# KiCad board Beacon_Multiboard.kicad_pcb (continued)
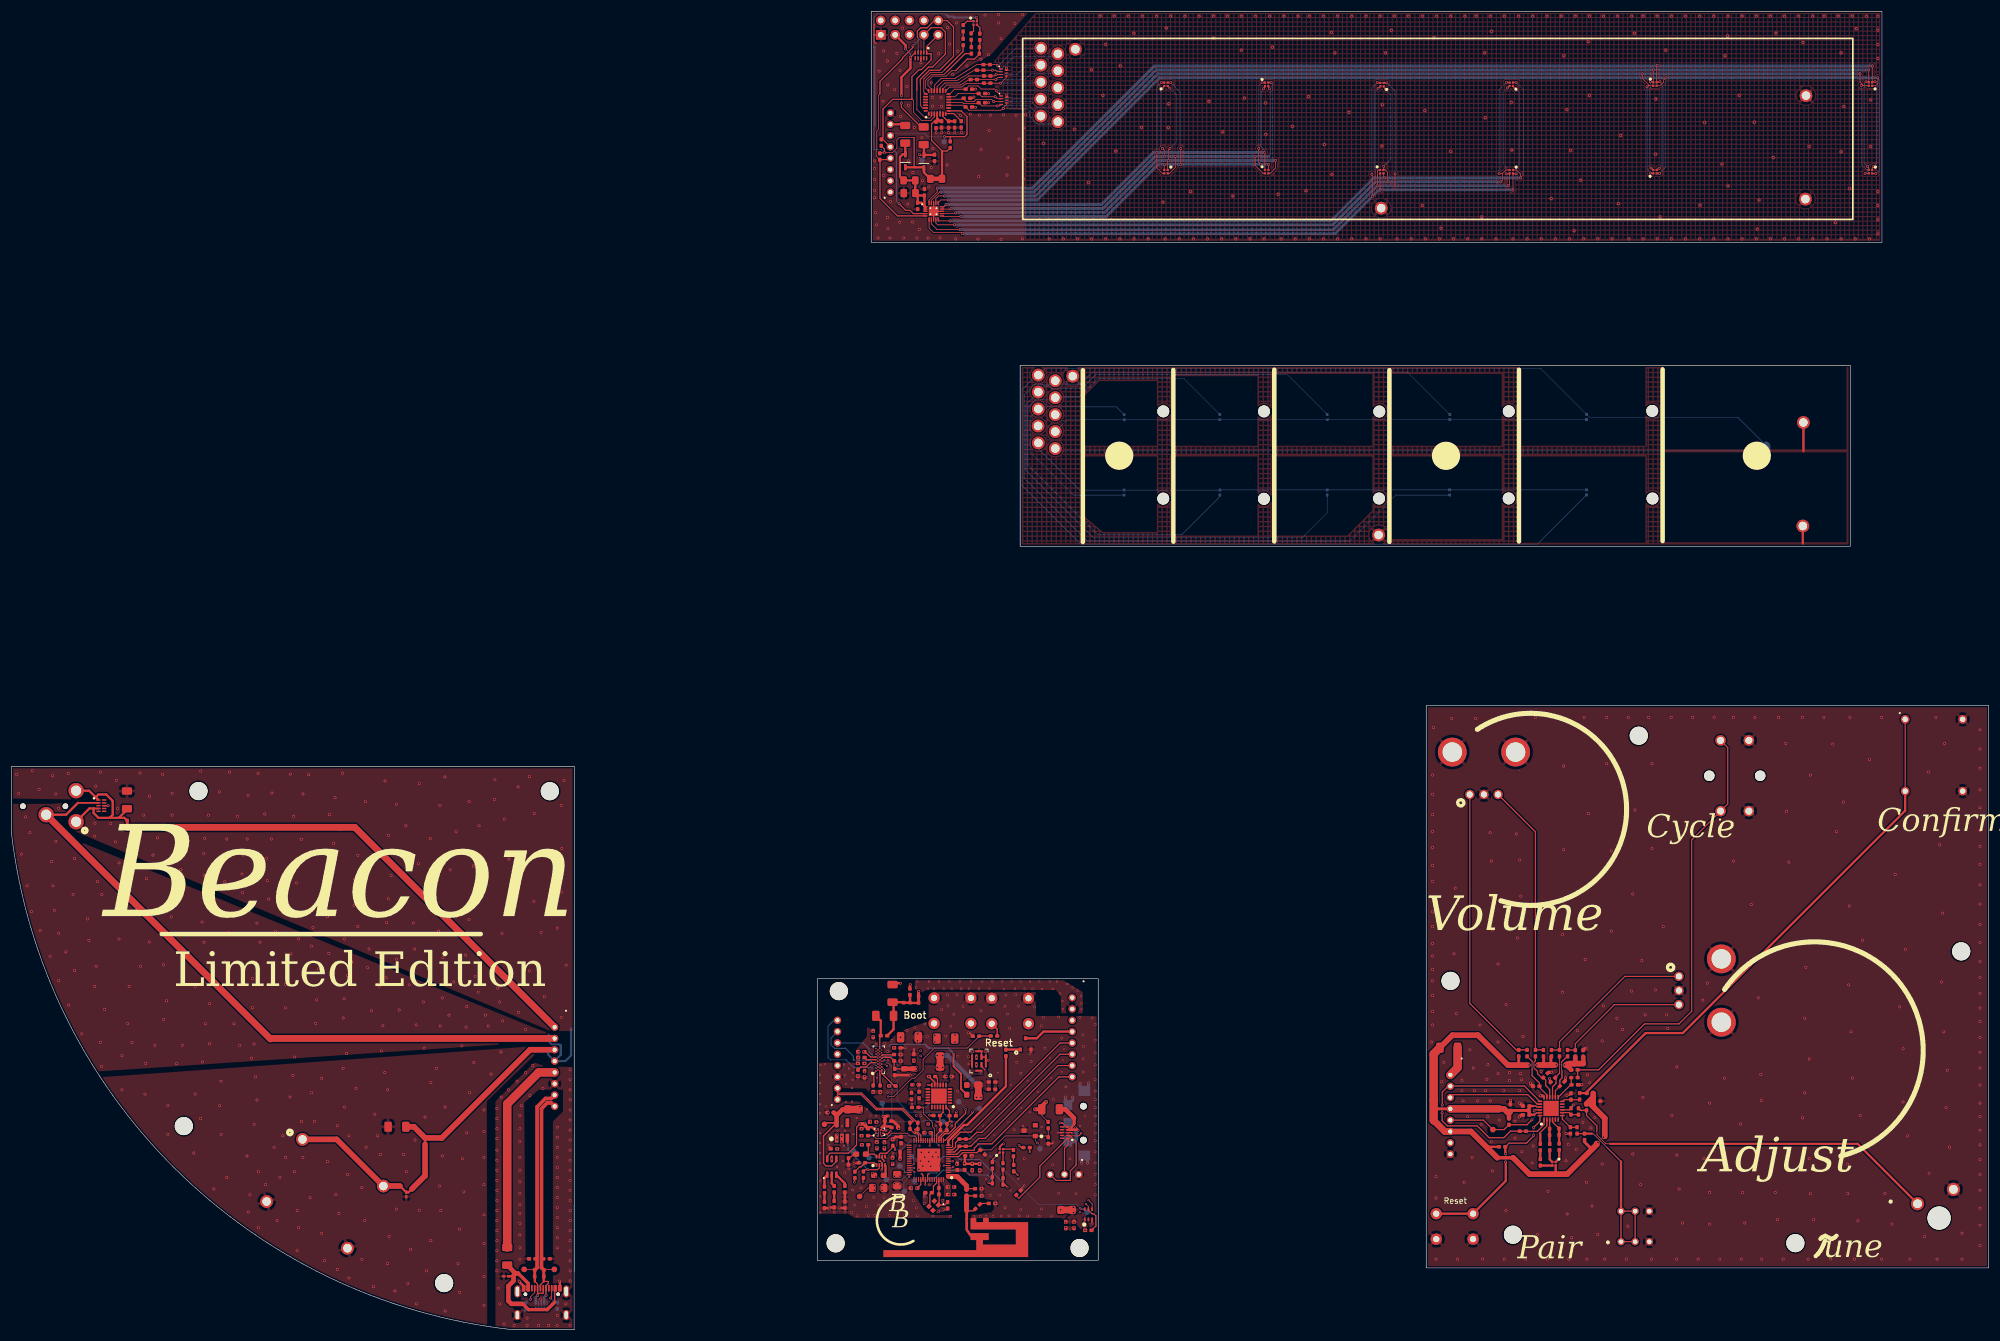
[diagram p0: board, top side]
## Routing (per net, layer and track width the routed paths; a pad name or vN(x,y) marks a point on that pad's centre or on a via; arc(x,y) is an arc through that point) (continued)
/Main_Board/Regulators/MODE: length 3.9
  Top w0.2: R502.1 151.51,31.46 R504.2 152.55,31.03 PS501.8
/Main_Board/Regulators/SYS_PWR: length 37.3
  Top w0.2: R506.2 178.54,32.2 v2(178.16,32.58) ; v3(154.34,29.85) 153.97,30.22 PS501.6 ; PS502.B2 153.29,35.47 v3(153.25,35.52)
  In2.Cu w0.13: v3(160.56,32.53) 160.56,35.02 161.22,35.68 161.22,36.39 161.78,36.95 163.08,36.95 163.36,37.23 173.52,37.23 v2(178.16,32.58)
  In3.Cu w0.13: v3(154.34,29.85) 154.34,29.51 155.3,28.55 157.03,28.55 160.56,32.08 v3(160.56,32.53)
  Bottom w0.13: v3(154.34,29.85) 153.77,30.42 TP502.1
  vias: v2(150.38,32.69) v2(152.99,36.71) v2(153.03,32.21) v2(154.35,32.16)
/Main_Board/Regulators/VSET: length 4.6
  Top w0.2: PS501.1 152.6,29.5 R503.2 150.22,28.79 149.98,28.79 R501.1
/Main_Board/STAT_B: length 18.9
  Top w0.2: U701.48 161.6,26.56 v3(161.6,25.65) ; v3(172.75,26) 172.88,25.86 J802.2 ; 173.45,27.02 173.45,27.02 R805.1
  Top w0.25: J802.1 J802.2
  Bottom w0.2: v3(172.75,26) 172.75,26.12 173.3,26.67 172.6,27.37 169.35,27.37 168.52,28.2 164.7,28.2 163.32,26.82 162.27,26.82 161.6,26.15 v3(161.6,25.65)
/Main_Board/STAT_G: length 23.3
  Top w0.2: 175.33,26.82 175.32,26.82 R803.1 ; U701.49 161.99,27.37 v3(162.15,27.52) ; v3(176.15,25.15) 175.63,25.66 J801.2
  Top w0.25: J801.1 J801.2
  Bottom w0.2: v3(162.15,27.52) 162.35,27.72 163.65,27.72 163.65,29.5 164.75,30.6 167.17,30.6 167.67,30.1 171.2,30.1 v3(176.15,25.15)
/Main_Board/STAT_R: length 19.7
  Top w0.2: v3(160.95,27.55) 161.19,27.3 U701.47 ; R802.1 177.31,27.99 v3(177.92,27.37)
  In3.Cu w0.2: v3(160.95,27.55) 161.6,28.2 168.6,28.2 169.47,27.32 171.57,27.32 171.62,27.37 v3(177.92,27.37)
/Main_Board/TACT_NINT: length 27.8
  Top w0.2: J101.8 185.2,44.7 173.36,32.86 171.03,32.86 170.26,32.1 170.26,31.72 167.88,31.72 167.17,31.01 U701.10
/Main_Board/TACT_VIBRT: length 20.3
  Top w0.09: U701.14 165.64,32.69
  Top w0.4: 165.64,33.22 165.64,33.42 168.41,36.19 168.99,36.19 175.84,43.04 175.84,47.53 ; 165.64,33.17 165.64,32.69 ; R1301.1 175.84,47.56
/Main_Board/TACT_VIBRT_EXT: length 8.7
  Top w0.4: Q1301.D 181.3,51.53 182.47,52.7 J101.4
/Main_Board/TOUCH_INT: length 30.3
  Top w0.2: U701.13 166.27,32.21 166.4,32.35 166.4,33.57 167.75,34.92 169.63,34.92 185.41,50.7 J101.5
/Main_Board/uC_BOOT: length 35.4
  Top w0.13: v3(164.85,29.01) U701.5
  In3.Cu w0.13: 163.16,55.08 169.66,55.08 168.16,53.58 168.16,44.7 164.85,41.4 164.85,29.02 v3(164.85,29.01)
/Main_Board/uC_EN: length 39.5
  Top w0.13: U701.4 166.34,28.61 v3(166.53,28.8)
  Top w0.25: R804.1 174.3,53.13 SW802.1
  In3.Cu w0.13: 179.78,55.02 173.28,55.02 173.28,38.9 166.02,31.64 166.02,29.31 v3(166.53,28.8)
/Main_Board/uC_LNA: length 6.3
  Top w0.2: L801.2 169.01,24.93 C803.2
  Top w0.25: 167.22,27.1 166.9,27.1
  Top w0.84: 167.22,27.1 J804.2 J804.1 168.88,25.43 L801.2 ; 166.9,27.1 165.64,27.1 ; 167.29,27.02 167.39,26.93
/Main_Board/USB_DN: length 21.5
  Top w0.09: 160.14,36.6 J1609.1
  Top w0.178: U701.25 160.79,34.41 160.28,34.93 159.81,34.93 159.77,34.96 159.77,35.45 159.79,35.47 J1609.2 J1609.1 ; 160.14,36.6 157.6,39.15 153.02,39.15 150.33,41.84 146.11,41.84
  Top w0.2: J106.2 146.06,41.89 146.1,41.85 146.11,41.85
/Main_Board/USB_DP: length 21
  Top w0.178: 159.21,36.62 159.47,36.88 157.48,38.87 152.91,38.87 150.22,41.56 146.11,41.56 ; J1610.1 J1610.2 158.88,35.47 159.7,34.66 160.16,34.66 160.39,34.43 160.39,33.44
  Top w0.2: J106.1 146.06,41.51 146.11,41.56 146.11,41.56 ; 159.21,36.62 J1610.1
/Tactile_Board/I2C1_SCLK: length 45.1
  Top w0.2: U1501.1 270.98,36.25 269.8,35.07 267.83,35.07 J1501.2 J1501.1 265.03,35.1 263.86,33.93 261.27,33.93 259.16,36.04 253.88,36.04 252.96,36.95 v1(252.96,38.34) ; v1(252.99,39.74) 252.99,42.03 254,43.04 J104.2 254.44,43.08 267.52,43.08 270.22,40.37 U1501.19
  Bottom w0.2: v1(252.99,39.74) 252.96,39.72 v1(252.96,38.34)
/Tactile_Board/I2C1_SDA: length 16.8
  Top w0.2: J104.3 254.92,41.55 268.1,41.55 269.78,39.87 U1501.20
/Tactile_Board/IO_Expander/TACT_B: length 4.7
  Top w0.2: J1503.2 273.64,35.57 272.48,36.73 U1501.4 ; 273.64,32.92 R1506.1
  Top w0.4: 273.64,32.92 J1503.1 J1503.2
/Tactile_Board/IO_Expander/TACT_CONFIRM: length 3.2
  Top w0.2: U1501.12 274.49,40.66 C1402.2 277.23,40.66 R1406.2
/Tactile_Board/IO_Expander/TACT_CYCLE: length 4.6
  Top w0.2: R1405.2 275.79,43.36 C1401.2 275.69,43.3 U1501.13
/Tactile_Board/IO_Expander/TACT_EQZR_A: length 7.9
  Top w0.13: 273.71,47.67 273.71,45.57
  Top w0.2: 273.71,45.57 273.71,45.34 C1407.2 273.1,44.41 273.1,43.56 272.48,42.93 U1501.15 ; 273.71,47.67 R1415.1
/Tactile_Board/IO_Expander/TACT_EQZR_B: length 8.2
  Top w0.13: 274.11,47.37 274.04,47.3 274.04,45.97 274.15,45.87 274.15,45.62
  Top w0.2: U1501.14 272.98,42.27 C1408.2 273.77,44.12 274.15,44.5 274.15,45.62 ; 274.11,47.37 275.07,48.33 R1416.1
/Tactile_Board/IO_Expander/TACT_G: length 4.3
  Top w0.2: 271.96,32.87 R1505.1 ; U1501.3 271.98,35.53 J1502.2
  Top w0.4: J1502.2 J1502.1 271.96,32.87
/Tactile_Board/IO_Expander/TACT_PAIR: length 3.9
  Top w0.2: U1501.7 274.2,37.23 C1403.2 276.89,35.79
/Tactile_Board/IO_Expander/TACT_R: length 4.8
  Top w0.2: 270.31,34.69 270.31,34.88 271.48,36.05 U1501.2
  Top w0.4: 270.31,34.69 R1504.1
/Tactile_Board/IO_Expander/TACT_TUNE: length 3
  Top w0.2: R1408.2 277.06,38.02 C1404.2 275.39,38.37 U1501.8
/Tactile_Board/IO_Expander/TACT_VOLUME_A: length 8.7
  Top w0.13: 268.86,47.47 268.86,46.05
  Top w0.2: 268.86,47.47 268,48.33 R1413.1 ; U1501.17 271.48,41.52 270.17,42.83 C1405.2 270.17,43.6 268.86,44.9 268.86,46.05
/Tactile_Board/IO_Expander/TACT_VOLUME_B: length 8.7
  Top w0.13: 269.45,46.05 269.4,46.05 269.19,46.25 269.19,47.27 269.34,47.42
  Top w0.2: R1414.1 269.45,47.52 269.34,47.42 ; U1501.16 271.98,42.45 271.28,43.15 271.28,44.13 C1406.2 270.51,44.58 269.83,45.26 269.83,45.67 269.45,46.05
/Tactile_Board/TACT_NINT: length 18.7
  Top w0.2: v1(269.24,38.76) 269.36,38.87 U1501.22 ; v1(268.84,37.11) 267.97,36.23 R1501.1 263.92,35.38 TP1501.1 260.26,37.04 J104.5
  Bottom w0.13: v1(269.24,38.76) 269.24,37.51 v1(268.84,37.11)
Net-(AE801-Pad1): length 7.4
  Top w0.2: C802.2 168.88,23.66 L801.1 ; L802.2 170.08,21.01 168.91,21.01
  Top w0.25: 168.88,21.06 J803.1
  Top w0.381: 168.88,22.26 168.91,22.26
  Top w0.46: J803.1 AE801.1
  Top w0.84: 168.88,21.06 L801.1
Net-(C804-Pad2): length 1.6
  Top w0.2: L802.1 171.39,22.32 C804.2
Net-(D414-A): length 6.1
  Top w0.13: D414.2 160.68,207.66 v1(160.56,207.78)
  Top w0.4: 161.35,209.77 161.35,207.71 163.07,207.71 163.23,207.87
  Bottom w0.13: TP403.1 160.56,207.22 v1(160.56,207.78)
Net-(D417-Pad1): length 2.1
  Top w0.2: R407.2 168.95,231.35 D417.1
Net-(D417-Pad2): length 1.7
  Top w0.2: D417.2 170.12,229.62 R405.2
Net-(D417-Pad3): length 1.8
  Top w0.2: D417.3 171.23,230.24 R403.2
Net-(D501-Pad1): length 2.3
  Top w0.4: R513.2 143.76,26.9 D501.1
Net-(D501-Pad2): length 2.2
  Top w0.4: D501.2 145.05,25.84 R512.2
Net-(D501-Pad3): length 2.6
  Top w0.4: R511.2 147.37,25.87 D501.3
Net-(D502-Pad1): length 24.2
  Top w0.25: J510.A9 96.06,7.21 96.06,4.87 ; 88.64,9.44 88.79,9.6
  Top w0.4: 87.83,9.44 88.64,9.44 ; 88.79,9.6 89.15,9.95
  Top w0.6: 89.61,9.95 91.39,8.17 J510.A4 ; 90.42,4.57 91.44,3.55 94.74,3.55 96.06,4.87
  Top w0.8: 89.61,9.95 89.15,9.95 F502.1 ; 90.42,4.57 88.39,4.57 87.88,5.08 87.88,7.72 88.79,8.63 88.79,9.6
Net-(D801-Pad1): length 2.2
  Top w0.2: R805.2 173.45,30.03 D801.1
Net-(D801-Pad2): length 1.9
  Top w0.2: R803.2 175.32,31.3 D801.2
Net-(D801-Pad3): length 1.9
  Top w0.2: D801.3 177.03,31.93 R801.2
Net-(D1501-Pad1): length 2.4
  Top w0.4: D1501.1 273.66,30.26 R1506.2
Net-(D1501-Pad2): length 2.3
  Top w0.4: R1505.2 271.99,30.1 D1501.2
Net-(D1501-Pad3): length 2.1
  Top w0.2: R1503.2 270.33,29.04
  Top w0.4: D1501.3 272.43,29.03 270.34,29.03 270.33,29.04
Net-(J501-Pin_1): length 11.9
  Top w0.25: v2(188.63,35.25) v2(188.17,35.71) ; 187.07,35.35 187.5,35.78 187.5,35.85
  Top w0.4: D507.4 187.07,35.35 ; 187.89,36.29 187.5,35.9 187.5,35.85
  Top w0.5: 187.07,35.35 188.28,35.35 188.4,35.48
  Top w0.6: 187.89,36.47 187.89,37.41
  Top w0.8: F501.1 186.33,38.97 187.89,37.41
  Bottom w0.2: 188.32,35.45 188.53,35.25 v2(188.63,35.25) ; 188.32,35.45 188.27,35.4 ; 188.32,35.45 188.32,35.56 v2(188.17,35.71)
  Bottom w0.7: 188.27,35.4 188.27,33.68 187.91,33.31 J501.1
Net-(J510-CC1): length 3.4
  Top w0.13: v1(91.82,5.35) 91.82,5.84 92.54,6.56 J510.A5
  Bottom w0.13: R517.2 91.56,5.35 v1(91.82,5.35)
Net-(J510-CC2): length 3.3
  Top w0.13: v1(95.35,5.58) 95.54,5.77 J510.B5
  Bottom w0.13: R518.2 96.11,4.82 v1(95.35,5.58)
Net-(PS501-SW): length 2.2
  Top w0.2: 154.62,28.98 PS501.4
  Top w0.4: 154.57,28.93 154.57,27.6 L501.1 154.39,27.43
Net-(Q1301-PadG): length 2.5
  Top w0.2: 175.86,49.53 R1301.2
  Top w0.4: Q1301.G 175.86,49.53
Net-(R405-Pad1): length 1.3
  Top w0.2: R405.1 169.73,228.05 R406.2
Net-(R407-Pad1): length 1.3
  Top w0.2: R407.1 R408.2
Net-(R512-Pad1): length 1.5
  Top w0.4: R515.2 145.48,22.76 R512.1
Net-(R513-Pad1): length 1.5
  Top w0.4: R513.1 R516.2
Net-(R801-Pad1): length 1.5
  Top w0.2: R802.2 177.17,29.17 R801.1
Net-(R1401-Pad2): length 76.9
  Top w0.2: SW1401.1 303.46,102.92 303.46,92.96 SW1401.1 297.08,86.58 297.08,56.31 294.85,54.07 288.75,54.07 280.62,45.95 R1401.2 R1405.1
Net-(R1402-Pad2): length 94.6
  Top w0.2: SW1402.1 SW1402.1
  Top w0.381: R1402.2 278.47,41.84 R1406.1
  Top w0.4: R1402.2 278.53,42.04 288.94,52.45 295.51,52.45 334.83,91.77 SW1402.1
Net-(R1403-Pad2): length 34.4
  Top w0.13: 279.45,34.67 279.66,34.67 282.07,32.26
  Top w0.2: 282.07,32.26 284.58,29.74 ; R1407.1 276.82,34.67 R1403.2 ; SW1403.1 SW1403.1 SW1403.1 SW1403.1 SW1403.1
  Top w0.381: R1403.2 279.45,34.67
  Top w0.4: 284.58,29.74 SW1403.1
Net-(R1404-Pad2): length 68.4
  Top w0.13: 280.32,35.18 280.32,34.47 281.92,32.87 282.63,32.87
  Top w0.2: R1404.2 278.49,37.87 280.32,36.04 280.32,35.18
  Top w0.25: R1404.2 277.44,38.77 R1408.1
  Top w0.381: SW1404.1 326.41,32.87 282.63,32.87
Net-(R1409-Pad2): length 50.5
  Top w0.2: SW1405.A 257.85,57.69 266.08,49.47 R1409.2 R1413.2
Net-(R1410-Pad1): length 49.3
  Top w0.2: SW1405.B 269.45,88.04 R1414.2 270.86,49.47 R1410.1
Net-(R1411-Pad2): length 28.8
  Top w0.2: R1411.2 R1415.2 273.71,50.92 285.26,62.47 SW1406.A
Net-(R1412-Pad1): length 23.7
  Top w0.2: R1416.2 276.46,49.46 R1412.1 276.51,50.57 283.4,57.47 SW1406.B
Net-(R1503-Pad1): length 1.6
  Top w0.4: R1503.1 R1504.2
Net-(SW501-C): length 27.1
  Top w0.15: D507.2 186.86,34.27 188.69,34.27
  Top w0.2: R506.1 180.04,32.19 v3(180.04,31.42) ; SW501.3 184.72,26.39 187.23,26.39 187.23,28.09 188.25,29.1 188.25,33.22 187.11,34.35 D507.2 ; 188.69,34.27 v3(189.16,34.74)
  In2.Cu w0.2: v3(189.16,34.74) 185.83,31.42 v3(180.04,31.42)
Net-(U402-NRST): length 3.3
  Top w0.2: U402.7 166.62,215.02 C409.2
Net-(U402-VREG): length 3.3
  Top w0.13: U402.6 164.68,214.56 164.94,214.3
  Top w0.2: C408.2 165.57,213.67 164.94,214.3
  Top w0.3: 164.68,214.62 U402.6
  Top w0.381: C408.2 165.64,213.67
  Top w0.4: C407.2 C408.2
Net-(U601-CPF_N): length 3.6
  In2.Cu w0.2: v2(155.19,43.1) 155.19,43.34 153.67,44.86 153.67,46.11
  vias: v5(153.57,46.22)
Net-(U601-CPF_P): length 4
  Top w0.18: 153.9,45.95 153.9,45.31
  Top w0.2: U601.D2 153.9,45.95 ; C613.2 156.12,43.1 153.9,45.31
Net-(U601-CPR_N): length 2.6
  Top w0.18: U601.C1 153.54,45.1 153.57,45.07 ; C618.2 153.57,43.2
  Top w0.2: 153.57,43.2 153.57,45.07
Net-(U601-CPR_P): length 2.7
  Top w0.2: C617.2 152.5,43.31 152.5,45.36 U601.A1
Net-(U601-DACREF): length 3.7
  Top w0.2: C614.2 150.17,46.45 151.14,46.45 151.91,47.22 U601.A7
Net-(U601-MIC1_N): length 5.3
  In2.Cu w0.2: v2(157.22,51.7) 156.03,50.51 v2(156.03,49.83) 154.5,49.83 154.14,49.47 U601.B16
  vias: v5(153.19,49.47)
Net-(U601-MIC1_P): length 6.2
  Top w0.2: U601.C17 153.54,51.81 C608.1
  Top w0.4: C608.1 153.72,54.62 C607.1
Net-(U601-VDIG): length 2.3
  Top w0.2: C619.2 156.01,48.59 154,48.59 U601.D12
Net-(U601-VMID): length 2.2
  Top w0.2: U601.A9 151.25,47.72 C615.2
Net-(U601-VREF): length 2.5
  In2.Cu w0.09: U601.B8 153,47.47
  In2.Cu w0.2: 153,47.47 151.21,47.47 v2(150.82,47.08)
  vias: v5(153.18,47.47)
Net-(U701-XTAL_32K_P): length 5.8
  Top w0.13: U701.21 162.39,32.56 v3(162.36,32.53)
  In2.Cu w0.13: v2(162.09,36.37) 162.21,36.37 163.33,35.25 163.33,34.69 162.36,33.73 v3(162.36,32.53)
Net-(U1001-REGOUT): length 1.7
  Top w0.2: C1004.2 163.74,44.37 U1001.10
Net-(U1501-NRST): length 30.6
  Top w0.2: v1(269.14,34.39) 269.14,34.25 267.88,32.99 264.79,32.99 R1502.1 ; U1501.24 270.25,36.87 v1(269.14,35.76) ; v1(264.19,31.15) 264.13,31.21
  Top w0.4: 264.13,31.21 R1502.1 ; SW1501.1 SW1501.1 264.21,26.3 264.21,29.63 v1(264.19,29.65)
  Bottom w0.13: v1(269.14,34.39) v1(269.14,35.76)
  Bottom w0.2: v1(264.19,29.65) v1(264.19,31.15)

## Copper pours and planes (outline as drawn; the poured copper is in the pictures)
/Main_Board/+2V5 on In3.Cu: 150.78,38.1 150.73,42.01 152.28,42.44 152.26,49.65 153.02,51.18 153.02,52.24 151.75,52.24 150,49.86 150,45.36 149.33,41.35 149.33,38.12
/Main_Board/+3V3 on Top: 173.2,42.19 173.2,44.12 171.73,47.32 171.3,47.32 171.3,45.47 168.48,43.81 168.48,42.49 171.96,42.49 172.31,42.19
/Main_Board/+3V3 on Top: 156.93,33.36 156.93,32.6 156.8,31.71 156.8,31.07 157.44,31.07 157.44,31.71 158.33,32.47 159.22,32.47 159.22,32.72 158.33,32.72 157.56,33.36
/Main_Board/+3V3 on Top: 164.3,27 164.3,26.13 164.9,25.19 164.9,23.47 166.15,23.47 166.15,25.68 164.9,27
/Main_Board/+3V3 on Top, In2.Cu: 188.37,21.94 187.03,21.94 187.03,20.16 186.11,19.45 186.11,18.59 188.35,18.59 189.54,17.12 190.36,17.12 190.36,18 190.1,19.17 190.08,20.26
/Main_Board/+3V3 on Top, In2.Cu: 158.55,39.02 159.95,39.02 159.95,40.93 165.74,40.93 165.74,46.85 161.48,46.85 158.55,42.5
/Main_Board/MCU/VDD3P3 on Top: 165.22,27.71 166.07,27.71 167.03,27.88 168.86,27.88 168.86,28.59 167,28.59 166.07,28.3 165.22,28.3
GND on Top: 173.99,215.85 179.14,215.65 179.14,191.75 331.65,191.93 331.54,233.45 181.59,233.45 173.74,224.32
GND on Top: 178.37,170.84 325.98,171.2 325.97,138.03 178.42,137.93
GND on Top, Bottom: 95.25,51 13.76,45.56 -0.42,74.47 -0.42,93.01 6.85,92.96 11.93,93.37 15.49,93.31 15.49,93.01 14.98,92.96 13.2,92.71 9.65,90.67 9.65,88.64 11.93,86.36 91.94,53.59 95.25,52.32
GND on Top, Bottom: 95.25,52.83 11.17,88.13 10.16,89.15 10.16,90.67 13.46,92.45 15.03,92.76 16,92.81 16,93.62 15.03,93.62 9.85,93.77 -0.41,93.92 -0.46,100.48 100.48,100.43 100.17,52.78
GND on Top, Bottom: 180.49,233.65 151.52,233.79 151.44,191.6 179.54,191.7 179.49,215.15 169.53,215.02 168.05,215.63 166.43,215.71 166.43,219.7 162.74,219.8 162.82,221.32 166.55,221.63 169.48,223.45 173.13,225.36
GND on Top, Bottom: 95.3,50.03 91.18,50.03 14.44,44.55 45.74,8.05 84.14,-0.1 84.07,40.38 92.45,48.51 95.25,48.51
GND on Top, Bottom: 94.74,46.48 92.45,47.24 85.59,40.38 85.59,-0.26 100.07,-0.26 100.07,46.48
GND on Top, Bottom: 249.33,110.89 350.29,110.89 350.29,9.93 249.33,9.93
GND on Top, Bottom, In1.Cu, In2.Cu, In3.Cu, In4.Cu: 173.22,19.73 169.72,19.73 169.72,20.37 170.71,20.37 173.24,20.77
GND on Top, Bottom, In1.Cu, In2.Cu, In3.Cu, In4.Cu: 189.44,55.93 189.44,59.7 185.54,62.05 159.74,61.85 159.69,60.2 160.94,59.6 161.94,60.15 184.69,60.05 185.54,58.9 185.59,55.95
GND on Top, Bottom, In1.Cu, In2.Cu, In3.Cu, In4.Cu: 142.55,20.49 147.85,20.52 149.19,19.73 162.77,19.76 166.33,19.76 166.33,20.26 162.77,20.26 161.5,21.03 159.35,24.37 160.75,24.37 160.75,25.25 162.24,25.34 162.82,25.42 162.82,24.7 161.12,24.65 161.12,22.3 162.87,20.52 165.15,20.87 166.07,20.87 166.07,23.1 164.32,23.12 164.32,25.4 164.1,25.62 164.1,27 164.3,27 164.3,26.12 164.9,25.2 164.9,23.47 167.15,23.47 167.15,25.57 165.34,26.54 165.22,27.3 165.22,27.7 167.06,27.78 168.77,27.78 169.32,27.17 170.95,27.07 171.15,25.34 171.15,23.31 173.69,22.8 173.69,21.28 173.24,20.77 173.22,19.73 185.82,19.76 185.82,17.42 189.05,17.42 189.62,17.17 192.06,17.19 192,55.45 181.17,55.47 181.15,59.73 162.15,59.73 162.17,54.57 156.65,52.6 155.2,50.95 152.87,50.95 152.87,53.4 151.27,53.42 151.27,51.91 149.36,49.5 149.36,47.21 142.71,47.21
GND on Bottom: 165.29,216.35 168.09,216.35 169.19,215.55 175.39,215.55 176.59,216.45 176.39,223.15 173.99,223.95 171.59,223.95 170.69,223.75 166.79,221.25 164.29,221.15 163.09,219.95 163.09,219.05
GND on Bottom: 191.04,233.51 190.74,213.83 179,208.42 178.94,191.35 332.64,191 332.54,233.75
GND on In1.Cu: 155.32,52.02 156.25,53 156.25,54.37 156.7,54.37 156.7,57.27 160.87,57.27 160.94,59.6 160.08,61.84 157.44,61.84 154.77,61.85 154.77,56.65 152.07,56.65 152.07,54.47 153.22,54.47 153.22,51.6 153.4,50.92 153.7,50.92 153.96,51.58 155.32,51.6
/Fret_Assembly/Touch_Board/RX0 on Bottom: 292.06,170.26 324.45,170.26 324.45,139.15 292.06,139.15
/Fret_Assembly/Touch_Board/RX0 on Bottom: 220.31,168.61 205.07,168.61 205.08,156.29 220.31,156.29
/Fret_Assembly/Touch_Board/RX0 on Bottom: 263.49,154.39 243.8,154.39 243.8,139.78 263.49,139.78
/Fret_Assembly/Touch_Board/RX0 on Bottom: 222.85,168.99 240.63,168.99 240.63,156.29 222.85,156.29
/Fret_Assembly/Touch_Board/RX0 on Bottom: 266.66,139.15 266.66,154.39 288.89,154.39 288.89,139.15
/Fret_Assembly/Touch_Board/RX0 on Bottom: 220.31,154.39 205.07,154.39 205.07,140.42 220.31,140.42
/Fret_Assembly/Touch_Board/RX0 on Bottom: 222.85,140.42 222.85,154.39 240.63,154.39 240.63,144.86 236.18,140.42
/Fret_Assembly/Touch_Board/RX0 on Bottom: 202.53,167.72 192.37,167.72 189.19,164.55 189.19,156.29 202.53,156.29
/Fret_Assembly/Touch_Board/RX0 on Bottom: 266.66,156.29 266.66,170.26 288.89,170.26 288.89,156.29
/Fret_Assembly/Touch_Board/RX0 on Bottom: 243.8,169.39 263.49,169.39 263.49,156.29 243.8,156.29
/Fret_Assembly/Touch_Board/RX0 on Bottom: 202.53,154.39 189.19,154.39 189.19,144.23 193,141.05 202.53,141.05
/Main_Board/Regulators/SYS_PWR on In2.Cu: 153.63,37.17 153.63,35.9 155.15,32.6 155.15,29.93 152.48,29.93 152.48,31.83 149.82,32.21 149.82,33.1 151.34,33.1 152.48,37.17

## Text on the board
B.Silkscreen: JLCJLCJLCJLC | REV 1
F.Silkscreen: Reset | Boot | ~ | Limited Edition | Beacon | B | Pair | Cycle | une | Confirm | Volume | Adjust | Boop | Beep
User.6: No | Yes
